# Altium PCB LOGI-PI.PcbDoc (part 1 of 3) (continued)
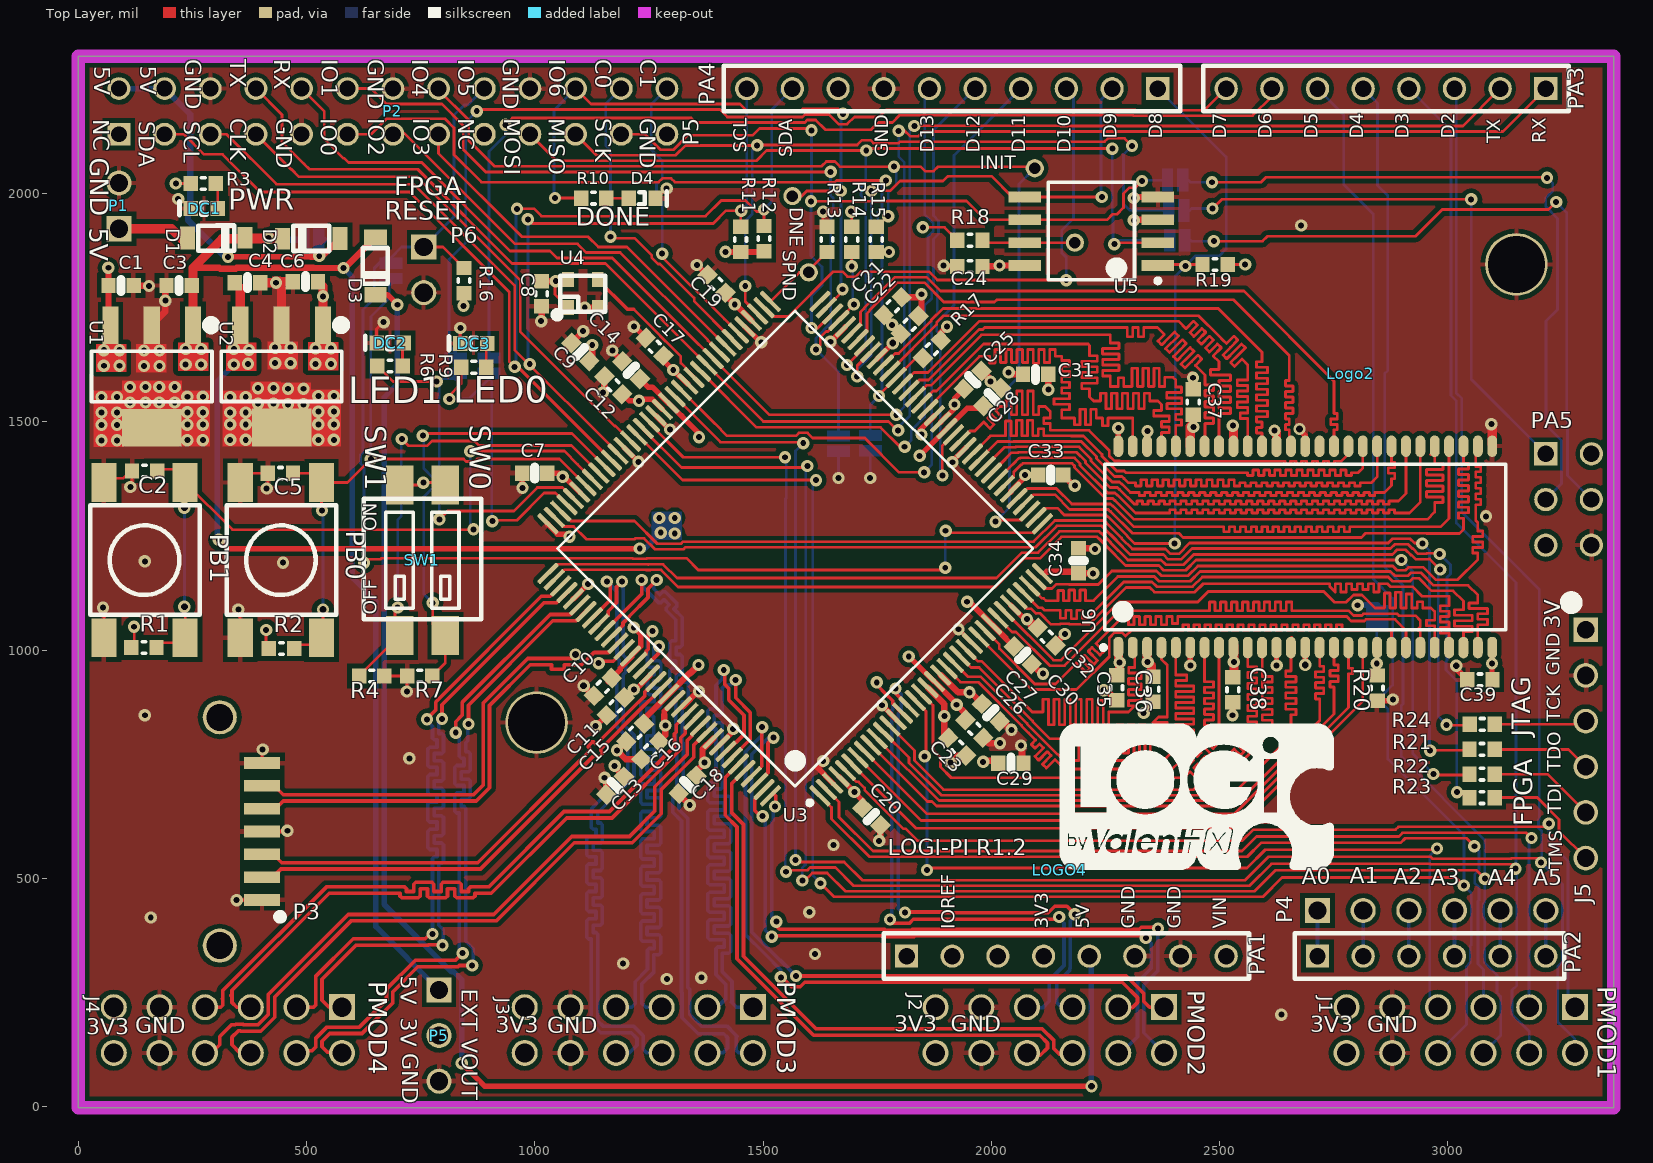
[diagram p0: Top Layer view]
## Footprints (in the part's own frame and the unit in brackets; to place one, negate y for a bottom-side part, rotate by r counter-clockwise, add the part's x,y. Pads: shape width x height; smd on the part's side, far side on the other; paste and mask are expansions set on the pad)
"ARDUINO DUE P1" [mil]
  rect 51x51 hole 36: A1(0,0)
  round 51 hole 36: A2(0,-100) A3(0,-200) A4(0,-300) A5(0,-400) A6(0,-500) A7(0,-600) A8(0,-700)
  silkscreen extent -50,-750 50,50, body extent -50,-1451 1950,400, height 327
"ARDUINO DUE P2" [mil]
  rect 51x51 hole 36: B1(0,0)
  round 51 hole 36: B2(0,-100) B3(0,-200) B4(0,-300) B5(0,-400) B6(0,-500)
  silkscreen extent -50,-540 50,50
"ARDUINO DUE P3" [mil]
  rect 51x51 hole 36: C1(0,0)
  round 51 hole 36: C2(0,100) C3(0,200) C4(0,300) C5(0,400) C6(0,500) C7(0,600) C8(0,700)
  silkscreen extent -50,-50 50,750
"ARDUINO DUE P4" [mil]
  rect 51x51 hole 36: D1(0,0)
  round 51 hole 36: D2(0,100) D3(0,200) D4(0,300) D5(0,400) D6(0,500) D7(0,600) D8(0,700) D9(0,800) D10(0,900)
  silkscreen extent -50,-50 50,950
"Arduino Due P5" [mil]
  rect 51x51 hole 36: E1(1100,-1400)
  round 51 hole 36: E2(1100,-1500) E3(1000,-1400) E4(1000,-1500) E5(900,-1400) E6(900,-1500)
"ASDMB - osc" [mil] "oscillator ASDMB - osc footprint"
  rect 26x33 smd: 1(0,0) 2(64.96,0) 3(64.96,61.02) 4(0,61.02)
  silkscreen extent -26,-18 81,69, body extent -17,-9 81,69, height 30
C0603 [mm] "0603 Generic"
  rect 0.8x0.85 smd: 1(-0.7,0) 2(0.7,0)
  silkscreen extent -0.1,-0.33 0.1,0.33, body extent -0.8,-0.42 0.82,0.4, height 0.46
"C0603 - Marked" [mm] "0603 Generic"
  rect 0.8x0.85 smd: 1(-0.7,0) 2(0.7,0)
  silkscreen extent 0,-0.33 0,0.33, body extent -0.8,-0.42 0.82,0.4, height 0.46
"DIPSW - 219-2MST" [mil]
  rect 60x85 smd: A1(0,0) A2(100,0) B1(0,330) B2(100,330)
  silkscreen extent -79,35 179,299, body extent -68,-29 169,357, height 146
FSM4JSMA [mil]
  rect 55x85 smd: A(-89,-170) A(-89,170) B(89,-170) B(89,170)
  silkscreen extent -119,-120 121,120, body extent -118,-198 118,196, height 200
"HEADER_2_40_100 THRU SIP" [mil]
  rect 55x55 hole 40: 1(0,0)
  round 55 hole 40: 2(100,0)
"HEADER_3_40_100 THRU SIP" [mil]
  rect 55x55 hole 40: 1(0,0)
  round 55 hole 40: 2(100,0) 3(200,0)
"HEADER_6_40_100 THRU SIP" [mil]
  rect 55x55 hole 40: 1(0,0)
  round 55 hole 40: 2(100,0) 3(200,0) 4(300,0) 5(400,0) 6(500,0)
"JTAG - Digilent HS1" [mil]
  rect 54x54 hole 39: 1(0,0)
  round 54 hole 39: 2(100,0) 3(200,0) 4(300,0) 5(400,0) 6(500,0)
  silkscreen extent -69,-42 -49,-22
"LED_0603 - RED" [mm] "LED_0603"
  rect 0.8x0.85 smd: A(-0.75,0) C(0.75,0)
  silkscreen extent -0.18,-0.41 1.37,0.38, body extent -0.8,-0.4 0.8,0.4, height 0.75
LOGI-600-SILK [mil]
  silkscreen extent 0,2 600,321
LOGI-1000-SILK [mil]
  silkscreen extent 0,-148 1000,534
"PMOD HEADER - SSQ-106-02-G-D-RA" [mil]
  rect 57x57 hole 42: 1(0,0)
  round 57 hole 42: 2(100,0) 3(200,0) 4(300,0) 5(400,0) 6(500,0) 7(0,100) 8(100,100) 9(200,100) 10(300,100) 11(400,100) 12(500,100)
  body extent -59,-14 561,494, height 200
R0603 [mm] "0603 Generic"
  rect 0.8x0.85 smd: 1(-0.7,0) 2(0.7,0)
  silkscreen extent -0.1,-0.33 0.1,0.33, body extent -0.81,-0.41 0.81,0.41, height 0.46
"RASPBERR PI - 26" [mil] "HEADER 100 MIL PITCH"
  rect 50x50 hole 35: 1(-600,-50)
  round 50 hole 35: 2(-600,50) 3(-500,-50) 4(-500,50) 5(-400,-50) 6(-400,50) 7(-300,-50) 8(-300,50) 9(-200,-50) 10(-200,50) 11(-100,-50) 12(-100,50) 13(0,-50) 14(0,50) 15(100,-50) 16(100,50) 17(200,-50) 18(200,50) 19(300,-50) 20(300,50) 21(400,-50) 22(400,50) 23(500,-50) 24(500,50) 25(600,-50) 26(600,50)
  body extent -660,-100 660,100, height 134
"SATA - 67490-3220" [mm] "Sata Data header 67490-3220 - verified pin nums on datasheet 1=gnd 2=tx+"
  rect 0.65x2 smd: 1(0,0) 2(-1.27,0) 3(-2.54,0) 4(-3.81,0) 5(-5.08,0) 6(-6.35,0) 7(-7.62,0)
  round 1.9 hole 1.5: x(-10.16,-2.36) x(2.54,-2.36)
  silkscreen extent 0.81,0.86 1.07,1.12, body extent -12.9,-10.66 4.57,0.84, height 4
SOD-123 [mm] "SOD-123"
  rect 1.2x0.85 smd: 1(0,1.6)
  rect 1.27x0.85 smd: 2(0,-1.6)
  silkscreen extent -0.69,-1 0.71,1, body extent -0.8,-1.85 0.8,1.85, height 1.28
SOIC127P830X200-8L [mm] "SOIC, 8-Leads, Body 6.1x6.2mm (max), Pitch 1.27mm, IPC High Density"
  rect 1.8x0.6 smd: 1(-3.7,1.905) 2(-3.7,0.635) 3(-3.7,-0.635) 4(-3.7,-1.905) 5(3.7,-1.905) 6(3.7,-0.635) 7(3.7,0.635) 8(3.7,1.905)
  silkscreen extent -3.83,-2.72 2.4,2.88, body extent -4.2,-2.7 4.2,2.68, height 2.3
SOLDER_JUMPER [mil]
  round 50 smd: 1(0,0) 2(-58,0)
  Top Layer region: -32.92,-24.99 -57.92,-24.99 -57.92,25.01 -32.92,25.01
  Top Layer region: 0.08,-24.99 -24.92,-24.99 -24.92,25.01 0.08,25.01
SOLDER_JUMPER-NC [mil]
  round 50 smd: 1(0,0) 2(-58,0)
  Top Layer region: 0.09,-24.99 -24.91,-24.99 -24.91,25.01 0.09,25.01
  Top Layer region: -32.91,-24.99 -57.91,-24.99 -57.91,25.01 -32.91,25.01
  Top Layer lines w10: 0,0 -50,0
SOT223 [mm] "SOT223, 4-Leads, Body 6.7x7.3mm (max), Pitch 2.30mm, IPC High Density"
  rect 2.1x0.9 smd: 1(-2.85,2.3) 2(-2.85,0) 3(-2.85,-2.3)
  rect 2.1x3.3 smd: 4(2.85,0)
  silkscreen extent -2.97,-3.35 1.4,3.43, body extent -3.54,-3.35 3.76,3.35, height 1.75
"Tp 25-40" [mil]
  round 40 hole 25: 1(0,0)
TQ144_L [mm] "Thin QFP, 144-Leads, Body 20x20mm, Pitch 0.5mm, IPC High Density"
  rrect50% 1.5x0.25 smd: 1(-10.7,8.75) 2(-10.7,8.25) 3(-10.7,7.75) 4(-10.7,7.25) 5(-10.7,6.75) 6(-10.7,6.25) 7(-10.7,5.75) 8(-10.7,5.25) 9(-10.7,4.75) 10(-10.7,4.25) 11(-10.7,3.75) 12(-10.7,3.25) 13(-10.7,2.75) 14(-10.7,2.25) 15(-10.7,1.75) 16(-10.7,1.25) 17(-10.7,0.75) 18(-10.7,0.25) 19(-10.7,-0.25) 20(-10.7,-0.75) 21(-10.7,-1.25) 22(-10.7,-1.75) 23(-10.7,-2.25) 24(-10.7,-2.75) 25(-10.7,-3.25) 26(-10.7,-3.75) 27(-10.7,-4.25) 28(-10.7,-4.75) 29(-10.7,-5.25) 30(-10.7,-5.75) 31(-10.7,-6.25) 32(-10.7,-6.75) 33(-10.7,-7.25) 34(-10.7,-7.75) 35(-10.7,-8.25) 36(-10.7,-8.75) 73(10.7,-8.75) 74(10.7,-8.25) 75(10.7,-7.75) 76(10.7,-7.25) 77(10.7,-6.75) 78(10.7,-6.25) 79(10.7,-5.75) 80(10.7,-5.25) 81(10.7,-4.75) 82(10.7,-4.25) 83(10.7,-3.75) 84(10.7,-3.25) 85(10.7,-2.75) 86(10.7,-2.25) 87(10.7,-1.75) 88(10.7,-1.25) 89(10.7,-0.75) 90(10.7,-0.25) 91(10.7,0.25) 92(10.7,0.75) 93(10.7,1.25) 94(10.7,1.75) 95(10.7,2.25) 96(10.7,2.75) 97(10.7,3.25) 98(10.7,3.75) 99(10.7,4.25) 100(10.7,4.75) 101(10.7,5.25) 102(10.7,5.75) 103(10.7,6.25) 104(10.7,6.75) 105(10.7,7.25) 106(10.7,7.75) 107(10.7,8.25) 108(10.7,8.75)
  rrect50% 0.25x1.5 smd: 37(-8.75,-10.7) 38(-8.25,-10.7) 39(-7.75,-10.7) 40(-7.25,-10.7) 41(-6.75,-10.7) 42(-6.25,-10.7) 43(-5.75,-10.7) 44(-5.25,-10.7) 45(-4.75,-10.7) 46(-4.25,-10.7) 47(-3.75,-10.7) 48(-3.25,-10.7) 49(-2.75,-10.7) 50(-2.25,-10.7) 51(-1.75,-10.7) 52(-1.25,-10.7) 53(-0.75,-10.7) 54(-0.25,-10.7) 55(0.25,-10.7) 56(0.75,-10.7) 57(1.25,-10.7) 58(1.75,-10.7) 59(2.25,-10.7) 60(2.75,-10.7) 61(3.25,-10.7) 62(3.75,-10.7) 63(4.25,-10.7) 64(4.75,-10.7) 65(5.25,-10.7) 66(5.75,-10.7) 67(6.25,-10.7) 68(6.75,-10.7) 69(7.25,-10.7) 70(7.75,-10.7) 71(8.25,-10.7) 72(8.75,-10.7) 109(8.75,10.7) 110(8.25,10.7) 111(7.75,10.7) 112(7.25,10.7) 113(6.75,10.7) 114(6.25,10.7) 115(5.75,10.7) 116(5.25,10.7) 117(4.75,10.7) 118(4.25,10.7) 119(3.75,10.7) 120(3.25,10.7) 121(2.75,10.7) 122(2.25,10.7) 123(1.75,10.7) 124(1.25,10.7) 125(0.75,10.7) 126(0.25,10.7) 127(-0.25,10.7) 128(-0.75,10.7) 129(-1.25,10.7) 130(-1.75,10.7) 131(-2.25,10.7) 132(-2.75,10.7) 133(-3.25,10.7) 134(-3.75,10.7) 135(-4.25,10.7) 136(-4.75,10.7) 137(-5.25,10.7) 138(-5.75,10.7) 139(-6.25,10.7) 140(-6.75,10.7) 141(-7.25,10.7) 142(-7.75,10.7) 143(-8.25,10.7) 144(-8.75,10.7)
  silkscreen extent -10.7,-9.35 9.35,9.55, body extent -11.01,-11.01 11.02,11.02, height 1.6
TSOP2-54_L [mm] "SOP, 54-Leads, Body 22.2x10.16mm, Pitch 0.8mm, IPC High Density"
  oval 1.2x0.55 smd: 1(-5.6,10.4) 2(-5.6,9.6) 3(-5.6,8.8) 4(-5.6,8) 5(-5.6,7.2) 6(-5.6,6.4) 7(-5.6,5.6) 8(-5.6,4.8) 9(-5.6,4) 10(-5.6,3.2) 11(-5.6,2.4) 12(-5.6,1.6) 13(-5.6,0.8) 14(-5.6,0) 15(-5.6,-0.8) 16(-5.6,-1.6) 17(-5.6,-2.4) 18(-5.6,-3.2) 19(-5.6,-4) 20(-5.6,-4.8) 21(-5.6,-5.6) 22(-5.6,-6.4) 23(-5.6,-7.2) 24(-5.6,-8) 25(-5.6,-8.8) 26(-5.6,-9.6) 27(-5.6,-10.4) 28(5.6,-10.4) 29(5.6,-9.6) 30(5.6,-8.8) 31(5.6,-8) 32(5.6,-7.2) 33(5.6,-6.4) 34(5.6,-5.6) 35(5.6,-4.8) 36(5.6,-4) 37(5.6,-3.2) 38(5.6,-2.4) 39(5.6,-1.6) 40(5.6,-0.8) 41(5.6,0) 42(5.6,0.8) 43(5.6,1.6) 44(5.6,2.4) 45(5.6,3.2) 46(5.6,4) 47(5.6,4.8) 48(5.6,5.6) 49(5.6,6.4) 50(5.6,7.2) 51(5.6,8) 52(5.6,8.8) 53(5.6,9.6) 54(5.6,10.4)
  silkscreen extent -5.72,-11.15 4.6,11.35, body extent -5.74,-11.16 6.02,11.06, height 1.3
VALENTFX_500-SolderMask [mil]
VALENTFX_750-SolderMask [mil]

## Part data
C1 C3 C4 C6 C7 C9 C13 C14 C18 C20 C25 C27 C28 C29 C30 C31 C33 C34: library part "C0603 - GRM188R60J475KE19D", "4.7uF 6.3volts X5R 10% (MLCC) - SMD/SMT 0603"
C2 C5 C8 C24 C35 C36 C37 C38 C39: library part "C0603 - CL10F104ZA8NNNC", "CAP CER 0.1UF 25V Y5V 0603"
C10 C11 C12 C15 C16 C17 C19 C21 C22 C23 C26 C32: library part "C0603 - GCM188R71E474KA64D", ".47uF 25VDC X7R 10% SMD 0603 Paper T/R CERAMIC"
D1 D2 D3: "DIODE SCHOTTKY 25V 1A SOD123"
D4 DC1 DC2 DC3: library part "LED0603 - 598-8010-107F", "LED ALINGAP RED CLEAR 0603 SMD"
J1 J2 J3 J4: library part "P-MOD - SSQ-106-02-G-D-RA", "SAMTEC - SSQ-106-02-G-D-RA-005 - 2MM SOCKET STRIPS"
J5: library part "JTAG - Digilent HS1", "DIGILENT - 410-205 - PROGRAMMING CABLE, JTAG HS1, USB2"
JP1 JP2 JP3 JP4 JP5 JP6 JP7 JP8 JP9 JP10: "Solder/Configuration Jumper"
P1: library part Header2, "Header 2 pin"
P2: library part "Raspberry Pi - 26", "Raspberry Pi - 26"
P3: "SATA Data - 67490-1220"
P4: "Header 6 pin"
P5: "Header  pin"
P6: "Header 2 pin"
PA1 PA3: "CONN HEADER FEMALE 8POS .1\" GOLD"
PA2: "CONN HEADER FEMALE 6POS .1\" GOLD"
PA4: "CONN HEADER FMALE 10POS .1\" GOLD"
PB0 PB1: "SWITCH TACTILE SPST-NO 0.05A 12V"
R1 R2 R4 R7 R11 R12 R13 R14 R15 R16 R17 R18 R19 R20: library part "R0603 - CRCW060310K0FKEA", "10k Thick Film Resistors - SMD 1/10watt 10Kohms 1%"
R3 R6 R9 R10 R21 R22 R23 R24: library part "R0603 - ERJ-3GEYJ331V", "Thick Film Resistors - SMD 0603 330ohms 5% Tol"
SW1: library part "DIPSW - 219-2MST", "DIP Switches / SIP Switches SPST 2 switch sections"
T2 T3 T4 T5: library part "Test Point 2", "Test Point Smaller Symbol"
U1: library part "REG - MCP1826S-3302E/DB", "LDO REG 1A 3.3V SOT223-3"
U2: "IC LDO REG 1A 1.2V SOT223-3"
U3: library part "FPGA - XC6SLX9-2TQG144C", "IC FPAG SPARTAN 6 9K 144TQFP"
U4: "OSC MEMS 50.000 MHZ SMD"
U5: library part M25PE16-VMW6TG, "IC FLASH 16MBIT 75MHZ 8SOIC"
U6: library part "SDRAM - MT48LC16M16A2P-7E", "256Mb Synchronous High-Speed CMOS DRAM, 16Mb x 16Bit x 4 Banks, 54-Pin TSOP Pb-free, Commercial"

## Free pads (board coordinates)
  round 137 hole 125: MT1(1004.04,841.5) MT1(3150.04,1845)

## Via types
v1: diameter 27, hole 13, Top Layer to Bottom Layer, 267 vias
v2: diameter 27, hole 13, Top Layer to Bottom Layer, tented both sides, 76 vias
v3: diameter 27, hole 15, Top Layer to Bottom Layer, 10 vias

## Nets (pads, with @x,y where several pads share a name; then routed paths per layer and width w, separated by ;. In a path a pad name is that pad's centre, name@x,y a point inside that pad or via, vN(x,y) a via of type N, cw(c..) or ccw(c..) an arc to the next point about the centre after c; other vN are vias at no path point)
1V2: C4.1 C14.1 C15.1 C26.1 C28.1 C30.1 U2.3 U3.19 U3.28 U3.52 U3.89 U3.128 | length 2426.1
  Top Layer w12: v1(308,1241.54) 327,1222.54 v1(1230,1222.54) ; C14.1@1232.24,1591.83 1248.02,1576.06 1257.36,1576.06 1292.12,1541.3 U3.89@1293.37,1541.3 ; 1321.6,1513.07 U3.89@1293.37,1541.3 ; v1(1359.91,1466.54) 1359.91,1474.76 U3.89@1293.37,1541.3 ; v1(1819.11,986.06) 1819.81,986.06 1874.24,931.63 U3.19@1875.21,931.63 v1@1918.78,888.05 ; v1(1843.1,1425.68) 1947.35,1529.93 C28.1@1978.61,1529.93 ; 2030.42,1026.96 2048.84,1008.54 C30.1@2050.59,1008.54
  Top Layer w14: C15.1@1239.49,838.82 1239.49,849.9 U3.128@1293.37,903.79 1339.46,949.87 1340.95,949.87 v1(1358.49,967.42) ; v1(1923.97,880.54) 1943.26,861.25 C26.1@1943.26,847.03 ; v1(1947.02,1106.06) 1951.33,1106.06 2030.42,1026.96
  Top Layer w20: C4.1@343.31,1804.81 355.12,1793 U2.3@355.12,1711.89
  Bottom Layer w12: v1(308,1241.54) 304.93,1244.62 304.93,1589.47 v2(341,1625.54) ; v1(1230,1222.54) 1241,1222.54 v2(1276,1257.54)
  Bottom Layer w14: 1261.98,1269.04 1288.61,1269.04 ; 1286.11,1282.05 1288.61,1279.55
  other v2: 1306.61,1255.55 1272.61,1289.55 1306.61,1289.55 372.04,1627.04 374,1657.61 341,1659.54
3V3: C1.1 C6.1 C7.1 C8.1 C9.1 C10.1 C11.1 C12.1 C13.1 C16.1 C17.1 C18.1 C19.1 C20.1 C21.1 C22.1 C23.1 C24.1 C25.1 C27.1 C29.1 C31.1 C32.1 C33.1 C34.1 C35.1 C36.1 C37.1 C38.1 C39.1 J1.6 J1.12 J2.6 J2.12 J3.6 J3.12 J4.6 J4.12 J5.1 JP1.1 P5.2 PA1.A2 PA1.A4 R1.1 R2.1 R3.1 R11.2 R12.2 R14.1 R15.2 R16.2 R17.1 R18.2 R19.2 SW1.B1 SW1.B2 U1.3 U2.1 U3.4 U3.18 U3.20 U3.31 U3.36 U3.42 U3.53 U3.63 U3.76 U3.86 U3.90 U3.103 U3.122 U3.125 U3.129 U3.135 U4.1 U4.4 U5.3 U5.8 U6.1 U6.3 U6.9 U6.14 U6.27 U6.43 U6.49 | length 3325.2
  Top Layer w6: v1(122.36,1051.29) 122.8,1050.85 R1.1@122.8,1016.29 ; v1(214,2022) R3.1@246.48,2022 ; R2.1@411.29,1012.33 411.29,1043.73 v1(411.85,1044.29) ; SW1.B1@704.06,1362 751.06,1362 v1(756.06,1367) 799.06,1367 SW1.B2@804.06,1362 ; v1(844,1754.18) 845,1755.18 R16.2@845,1781.98 ; v1@1044.51,1804.81 1044.51,1779.03 U4.1@1073,1750.54 ; v1(1693,1960.54) 1694.25,1959.29 R14.1@1694.25,1927.1 ; R15.2@1748,1871.98 v1(1775.88,1871.99) v1@1778.32,1869.54 ; v1(1850,1926.1) 1897.22,1926.1 R18.2@1925.44,1897.88 ; U5.3@2340.06,1939.32 2394.43,1939.32 U5.3@2396.43,1941.32 ; R19.2@2517.56,1844.54 v1(2556,1844.54)
  Top Layer w10: U3.36@2111.84,1168.26 2117.26,1168.26 2121,1172
  Top Layer w12: C7.1@1027.56,1387.54 1053,1387.54 v1(1061,1379.54) 1065.39,1379.54 U3.103@1098.5,1346.43 ; C10.1@1161.27,931.03 1187.42,957.18 1187.42,960.96 1211.94,985.48 1211.94,988.6 1232.3,1008.96 1232.3,1034.2 v1(1216.86,1049.64) ; C12.1@1192.88,1560.48 1207.3,1546.06 v1(1228.36,1546.06) 1232.13,1549.82 1257.01,1549.82 U3.90@1279.45,1527.38 ; C11.1@1195.89,888.05 C11.1@1200.41,892.57 ; C11.1@1196.49,896.49 1199.49,896.49 v1(1217,914) ; v1@1219.42,911.58 1251.62,943.77 U3.125@1251.62,945.55 ; C17.1@1279.64,1637.46 C17.1@1282.13,1634.97 ; C17.1@1281.73,1637.46 C17.1@1281.73,1641.33 ; C17.1@1282.13,1644.97 C17.1@1282.13,1634.97 ; 1283.85,858.36 1283.85,866.43 U3.129@1307.29,889.87 ; U3.86@1335.13,1583.06 1334.04,1583.06 v1(1303.28,1613.82) C17.1@1282.13,1634.97 ; U3.4@1666.41,722.84 v1(1700,689.25) C20.1@1718.01,671.24 ; U3.63@1749.93,1638.73 1750.42,1638.74 v3(1784.1,1672.42) 1804.1,1692.42 C22.1@1804.1,1698.39 ; v1(1850,1926.1) v1@1851,1927.1 ; U3.53@1889.12,1499.54 1919.36,1529.78 v1(1919.36,1538.06) 1919.36,1551.54 C25.1@1939.89,1572.06 ; U3.42@2042.24,1346.43 2042.24,1347.24 2074.09,1379.09 v1(2074.09,1383.54) C33.1@2108.54,1383.54 ; v1(2078.23,1068.01) 2072.89,1068.01 U3.31@2049.47,1091.43 ; v3(2687.57,967.8) U6.14@2687.57,1005.79 ; C39.1@3096.53,940.07 v1(3096.53,970.81) 3096.53,1010.31 U6.27@3097.01,1010.79 ; U3.31@2049.47,1091.43 U3.31@2042.24,1098.66 U3.31@2049.47,1091.43
  Top Layer w14: v1(66,1837.54) 66.44,1837.1 C1.1@66.44,1798.54 66.44,1715.97 U1.3@70.59,1711.82 ; C8.1@1015,1808.1 v1(1046,1808.1) 1069.54,1808.1 U4.4@1073,1811.57 ; C9.1@1119.59,1633.6 1126,1640.01 v1(1126,1668.54) ; v1(1175,746.54) 1175,743.52 C13.1@1195.49,723.03 ; C16.1@1272.49,799.95 1286,813.46 v1(1286,834.86) 1283.85,837.01 1283.85,858.36 ; C18.1@1354.49,725.03 1354.49,736.03 v1(1372,753.54) 1367.37,758.17 1367.37,782.91 U3.135@1390.81,806.35 ; C19.1@1417.49,1783.06 1417.49,1778.06 v1(1438,1757.54) 1439.03,1757.54 U3.76@1474.33,1722.25 ; v1(1417.69,1872.54) 1418.25,1871.98 R11.2@1451,1871.98 1500,1871.98 R12.2@1502,1873.98 ; C21.1@1764.61,1734.06 1764.61,1730.79 v1(1782.86,1712.54) ; U3.18@1861.29,917.71 1897,882 v1(1897,855.54) 1897,816.54 C23.1@1905.51,808.03 ; U3.20@1889.12,945.55 1927.13,907.54 v1(1952.24,907.54) 1954.74,907.54 C27.1@1979.51,882.77 ; R17.1@1889.4,1678.91 1889.4,1694.94 v1(1903,1708.54) ; C24.1@1981.56,1840.54 v1@2016,1840.54 ; v1(1982,755.54) 1984,757.54 C29.1@2011.44,757.54 ; v1(2018,1842.54) U5.8@2073.33,1842.54 ; v1(2038,1608.54) 2042.32,1604.23 C31.1@2069.44,1604.23 ; 2121,1172 2187.43,1172 C34.1@2191,1168.43 ; C34.1@2190.83,1168.26 C34.1@2191,1168.43 ; v1(2223,1168.43) C34.1@2191,1168.43 ; v1(2312,1941.54) 2313,1942.54 U5.3@2364.67,1942.54
  Top Layer w20: C6.1@525.39,1807 536.22,1796.17 v1(536.22,1775) U2.1@536.22,1711.89 ; v1(2078.23,1068.01) 2094.33,1051.91 C32.1@2103.43,1051.91 ; U6.1@2278.12,1010.79 2278.12,975.98 v1(2281.06,973.04) C35.1@2281.06,943.6 ; U6.3@2341.11,1010.79 2341.11,975.33 v1(2342.24,974.2) 2350.4,966.04 C36.1@2350.4,943.6 ; U6.49@2435.6,1446.74 v1@2435.6,1483.23 ; v1@2436.39,1491.01 2435.6,1490.22 v1@2435.6,1483.23 ; C37.1@2440.37,1518 2440.37,1488 v1@2435.6,1483.23 ; U6.9@2530.08,1010.79 2531.21,1009.67 v1(2531.21,974.2) C38.1@2531.21,943.6 ; v1(2620.04,1481) 2624.57,1476.47 U6.43@2624.57,1451.74
  Bottom Layer w14: v1(2802.37,1098.44) 2802.93,1099 JP1.1@2845.05,1099
  other v1: 2442.37,1489
  other v2: 56.37,1623 90.37,1623 519.93,1627 553.93,1627 56.37,1657 90.37,1657 519.93,1661 553.93,1661
5V_RP: D2.2 JP8.1 P2.2 P2.4 | length 853.4
  Top Layer w12: v1(328,1861.54) v1@328,1855.52 ; 509.59,1861.54 334.1,1861.54 v1@328.04,1855.48 ; D2.2@573.01,1900.99 D2.2@573.36,1901.35 ; v1@328,1855.52 v1@328.04,1855.48
  Top Layer w14: v1(328,1861.54) v1@334.1,1861.54 ; 509.59,1861.54 v1@528,1861.54 ; v1@533.56,1861.54 D2.2@573.01,1900.99
  Bottom Layer w12: P2.2@89.37,2230 P2.4@189.37,2230
  Bottom Layer w14: P2.4@189.37,2230 245.5,2173.87 245.5,1976.57 240.56,1971.62 240.56,1941.55 287.6,1894.5 289.02,1894.5 328,1855.52 v1(328,1861.54) ; v1(528,1863.54) 528,1887.37 JP8.1@539.17,1898.54
ARD_5V: D3.1 PA1.A5 | length 3490.6
  Top Layer w12: D3.1@651.27,1778.55 676.99,1778.55 v1(699,1756.54) ; v1(839.87,95.5) 890.37,45 v3(2219.37,45)
  Bottom Layer w12: v1(699,1756.54) 699,1582.54 670,1553.54 670,443.54 818.04,295.5 822.84,295.5 839.87,278.47 v1(839.87,95.5) ; PA1.A5@2214.37,330 2218.54,325.83 2218.54,45.83 v3(2219.37,45)
ARD_MISO_D12: PA4.D5 U3.87 | length 1515.3
  Top Layer w6: U3.87@1321.21,1569.14 1394.27,1496.08 1394.34,1496.08 1420.97,1469.45 1572.09,1469.45 1578.68,1476.04 1597.32,1476.04 1608.63,1464.74 1722.81,1464.74 1798,1389.54 v1(1852.89,1389.54)
  Bottom Layer w6: v1(1852.89,1389.54) 1869.6,1406.26 1869.6,1693.15 1868.5,1694.25 1868.5,1722.83 1881.5,1735.83 1881.5,1793.83 1873.19,1802.14 1873.19,1900.5 1884.5,1911.81 1884.5,1940.39 1873.19,1951.7 1873.19,2138.82 PA4.D5@1964.37,2230
ARD_MOSI_D11: PA4.D4 U3.51 | length 1028.5
  Top Layer w6: v1(1893,1382.54) 1892.24,1383.3 1892.24,1446.98 U3.51@1916.96,1471.7
  Bottom Layer w6: v1(1893,1382.54) 1888,1387.54 1888,1691.72 1880.5,1699.22 1880.5,1717.86 1918.19,1755.56 1918.19,2083.82 PA4.D4@2064.37,2230
ARD_SCK_D13: PA4.D6 U3.84 | length 1344.7
  Top Layer w6: U3.84@1362.97,1610.9 1485.82,1488.04 1757.68,1488.04 1800.18,1445.54 v1(1810,1445.54)
  Bottom Layer w6: v1(1810,1445.54) 1824.6,1460.14 1824.6,1481.55 1854,1510.95 1854,1754.72 1869.5,1770.22 1869.5,1788.86 1861.19,1797.17 1861.19,1905.47 1872.5,1916.78 1872.5,1935.42 1854,1953.92 1854,2219.63 PA4.D6@1864.37,2230
ARD_SS_D10: PA4.D3 U3.74 | length 1169
  Top Layer w6: U3.74@1502.16,1750.09 1502.17,1748.83 1520.35,1730.65 1555.43,1730.65 1653.77,1829 1673.98,1829 1684.93,1818.04 1703.57,1818.04 1714.53,1829 1863.31,1829 1881.76,1810.54 v1(2164,1810.54)
  Bottom Layer w6: v1(2164,1810.54) 2164,1860.53 2154,1870.53 2154,1919.54 2180,1945.54 2180,2042.38 2179.85,2042.53 2179.85,2066.56 2180,2066.7 2180,2214.37 PA4.D3@2164.37,2230
FLASH_CS_ARD_D8: PA4.D1 R19.1 U3.38 U5.1 | length 1579.5
  Top Layer w6: U3.38@2097.92,1290.75 2097.92,1291.59 2117.33,1311 2144.9,1311 2159.61,1296.29 2251.07,1296.29 2255.32,1292.04 2256.2,1292.04 2297.5,1250.75 2297.5,1249.87 2313.82,1233.54 v1(2401.48,1233.54) ; U5.1@2364.67,1842.54 2366.67,1844.54 R19.1@2462.44,1844.54
  Bottom Layer w6: PA4.D1@2364.37,2230 2514.37,2080 2514.37,1878.86 2499.38,1863.88 2447.33,1863.88 v1(2425,1841.54) 2403,1819.54 2403,1286.54 2401.48,1285.03 v1(2401.48,1233.54)
FLASH_SDI_ARD_D9: PA4.D2 U3.64 U5.5 | length 1270.3
  Top Layer w6: v1(1706,1599.54) 1706.41,1599.95 1706.41,1623.05 U3.64@1736.01,1652.65 ; v1(1737,2005.54) 1737.5,2006.04 1778.32,2006.04 1799.82,2027.54 1894,2027.54 1904,2037.54 1905.23,2037.54 1905.96,2038.28 2000.03,2038.28 2045.77,1992.54 U5.5@2073.33,1992.54 v1(2242,1992.54)
  Bottom Layer w6: v1(1706,1599.54) 1706,1614.82 1737,1645.82 v1(1737,2005.54) ; v1(2242,1992.54) 2240,1994.54 2240,2205.63 PA4.D2@2264.37,2230
FLSH-DSBL: R18.1 T2.1 U5.7 | length 206
  Top Layer w6: R18.1@1980.56,1901.1 1989.12,1892.54 U5.7@2073.33,1892.54 T2.1@2183,1892.54
GND: C1.2 C2.2 C3.2 C4.2 C5.2 C6.2 C7.2 C8.2 C9.2 C10.2 C11.2 C12.2 C13.2 C14.2 C15.2 C16.2 C17.2 C18.2 C19.2 C20.2 C21.2 C22.2 C23.2 C24.2 C25.2 C26.2 C27.2 C28.2 C29.2 C30.2 C31.2 C32.2 C33.2 C34.2 C35.2 C36.2 C37.2 C38.2 C39.2 D4.C DC1.C DC2.C DC3.C J1.5 J1.11 J2.5 J2.11 J3.5 J3.11 J4.5 J4.11 J5.2 JP6.2 JP7.2 P1.2 P2.6 P2.9 P2.14 P2.20 P2.25 P3.1 P3.4 P3.7 P5.3 P6.2 PA1.A6 PA1.A7 PA4.D7 PA5.E6 pad.MT1 PB0.A PB1.A R4.1 R7.1 R13.1 R20.1 U1.2 U1.4 U2.2 U2.4 U3.3 U3.13 U3.25 U3.49 U3.54 U3.68 U3.77 U3.91 U3.96 U3.108 U3.113 U3.130 U3.136 U4.2 U5.4 U6.6 U6.12 U6.28 U6.41 U6.46 U6.52 U6.54 | length 3445.3
  Top Layer w6: v1(54.36,1093.29) 54.36,1096.29 56.36,1094.29 PB1.A@56.36,1036.29 ; PB1.A@56.36,1376.29 97.8,1376.29 117.8,1396.29 117.8,1360.73 v1(114.36,1357.29) ; v1(219,1988) 224.54,1988 245.35,1967.2 DC1.C@246.47,1967.2 ; v1(347,452.54) 347.46,453 P3.1@403.04,453 ; v1(350.85,1089.29) 350.85,1090.29 353.85,1087.29 PB0.A@353.85,1029.29 ; PB0.A@353.85,1369.29 371.85,1387.29 C5.2@415.29,1387.29 415.29,1356.73 v1(412.85,1354.29) ; P3.4@403.04,603 456.46,603 v1(458,604.54) ; P3.7@403.04,753 403.04,781.35 v1(404,782.31) ; DC2.C@653.63,1672.55 653.63,1703.18 v1(669,1718.54) ; R4.1@670.56,943.31 R7.1@720.44,943.31 720.44,910.06 v1(720,909.62) ; DC3.C@836.73,1671.64 836.73,1705.27 v1(837,1705.54) ; D4.C@1264.53,1989.72 1267.72,1989.72 v1(1289,2011) ; U3.136@1404.73,792.43 1436.35,824.06 1435.91,824.51 1435.91,826.52 v1(1434.67,827.77) ; v1(1631.5,1960.54) 1631.5,1935.6 R13.1@1640,1927.1 ; v1@1927.95,1048.54 v1(1927.95,1045.92) U3.25@1958.72,1015.14
  Top Layer w12: C7.2@972.44,1387.54 972.44,1356.1 v1(973,1355.54) ; U3.108@1028.9,1276.83 1028.9,1275.1 1049.61,1254.39 1073.15,1254.39 1076,1251.54 v1(1076,1248.54) ; U3.113@1084.58,1112.58 v1(1117,1145) ; v1(1133.5,833.54) C11.2@1152.51,852.56 ; v1(1170,1656.54) 1170,1654.61 C14.2@1191.7,1632.91 ; U3.96@1195.94,1443.86 v1(1227.36,1412.44) ; v1(1217,1708.54) 1218.56,1708.54 C17.2@1243.16,1683.94 ; U3.91@1265.53,1513.46 v1@1295.58,1483.42 ; v1@1295.1,1483.42 v1@1295.58,1483.42 ; v1(1296.1,1483.42) v1@1296,1483.42 ; v1@1296.36,1485.06 1296.36,1483.06 v1@1296,1483.42 ; U3.130@1324.44,875.95 1359.91,911.42 v1(1359.91,909.62) ; v1(1355,1843.54) 1376.51,1822.03 C19.2@1378.51,1822.03 ; U3.136@1404.73,792.43 v1@1436.36,824.06 ; U3.77@1460.41,1708.33 v1@1494.25,1674.48 ; v1(1631.5,757.26) 1631.5,755.18 1618.87,742.54 U3.3@1652.49,708.92 ; v1(1647.55,1675.54) U3.68@1680.33,1708.33 ; v1(1760.36,879.44) U3.13@1791.69,848.11 ; v1@1844.8,1483.06 U3.54@1875.21,1513.46 ; v1@1913.36,1415.06 v1@1913.36,1413.06 ; v1(1914.74,1411.68) v1@1913.36,1413.06 ; U3.49@1944.17,1443.86 v1@1913.36,1413.06 ; C25.2@1977.25,1606.9 1979.6,1606.9 v1(1998.08,1588.42) C28.2@2017.59,1568.91 ; C25.2@1983.83,1609 v1@2002.34,1590.49 ; U6.54@2278.12,1446.74 v1(2278.12,1486.15) ; U6.6@2435.6,1010.79 U6.6@2435.6,1005.79 2435.6,966.95 v1(2436,966.54) ; U6.12@2624.57,1005.79 2624.57,966.97 v1(2625,966.54) ; v3(2674.97,1484.54) 2674.97,1481.77 2687.57,1469.18 U6.41@2687.57,1446.74 ; R20.1@2844.09,880.44 R20.1@2845.05,880.44 ; R20.1@2845.05,889.44 2876.81,889.44 v1(2879.37,892) ; v1@1295.58,1483.42 v1@1296,1483.42
  Top Layer w14: C1.2@121.56,1798.54 154,1798.54 v1(155,1797.54) ; U1.2@161.14,1711.82 191,1741.67 v1(191,1765.54) 191,1796.1 C3.2@193.44,1798.54 ; v1(1014,1720.54) 1015,1721.54 C8.2@1015,1752.98 ; C9.2@1080.61,1672.57 1080.61,1673.21 v1(1106,1698.6) ; v3(1107,922) 1107,921.57 C10.2@1127.51,901.06 ; v1(1109.51,1750.09) 1109.97,1750.54 U4.2@1137.96,1750.54 ; v1(1149,1564.54) 1152,1567.54 1152,1598.96 C12.2@1152.61,1599.57 ; v1(1153,720.54) 1156.51,717.03 C13.2@1156.51,684.06 ; C15.2@1204.29,803.06 1181.77,780.54 v1(1180,780.54) 1199.57,760.97 C16.2@1233.51,760.97 ; C18.2@1315.51,686.06 1315.51,684.49 v1(1339.46,660.54) ; v1@1494.25,1674.48 v1(1496,1674.48) ; v1(1754.21,582.49) 1756.99,585.27 C20.2@1756.99,616.06 ; C21.2@1803.59,1773.03 1840.49,1773.03 v1(1847,1779.54) 1847,1738.54 C22.2@1840.49,1732.03 ; v1(1895.69,1842.25) 1897.4,1840.54 C24.2@1925.44,1840.54 ; v1(1911,753.54) 1926.51,769.06 C23.2@1944.49,769.06 ; C26.2@1982.24,808.06 1993.89,796.4 v1(2019,796.4) ; C27.2@2018.49,843.8 2025.75,843.8 v1(2044,825.54) ; v1(2065.1,791.38) 2066.56,789.92 C29.2@2066.56,757.54 ; C30.2@2088.49,969.06 2109,948.54 v1(2113,948.54) ; C31.2@2124.56,1604.23 2124.56,1570.98 v1(2125,1570.54) ; C32.2@2140.52,1010.06 2140.52,1014.96 v1(2161,1035.44) ; C33.2@2157.56,1383.54 2180.76,1360.35 v1(2183,1360.35) ; C34.2@2191,1223.54 2224.44,1223.54 2226.44,1221.54 v1(2227,1221.54) ; v1(2246,912.54) 2252.11,912.54 C35.2@2274.5,890.15 ; v1(2312,1990.54) 2314,1992.54 U5.4@2364.67,1992.54 ; v1(2333.47,862.54) 2333.47,866.45 C36.2@2354,886.98 ; U6.52@2341.11,1446.74 2341.11,1478.85 v1(2341.95,1479.7) ; v1(2441.69,1596.75) 2442.22,1596.22 C37.2@2442.22,1571.92 ; v1(2528,857.54) 2529,858.54 C38.2@2529,885.98 ; v3(3018.32,965.82) 3019.04,966.54 3019.04,958.44 C39.2@3042.48,935
  Top Layer w20: C4.2@398.43,1804.81 v1(433.4,1804.81) ; U2.2@445.67,1711.89 445.67,1792.55 v1(433.4,1804.81) ; C6.2@470.28,1807 435.59,1807 v1(433.4,1804.81) ; v1(2529.03,1491.78) 2530.08,1490.73 U6.46@2530.08,1451.74 ; v1(3095.1,1495.17) 3097.01,1493.26 U6.28@3097.01,1451.74
  Bottom Layer w6: JP7.2@1665,1423.54 1665,1377 v1(1665.18,1377) ; v1(1734.48,1377) 1735,1377 JP6.2@1735,1424.54
  other v1: 2635.08,201.82 1289.37,279.8 1364.89,282.84 1193.66,313.72 1613.72,334.62 159,414.54 1601.42,426.18 1654.14,573.48 725.37,763 146,857.54 448.65,1191.82 146,1194.71 3083.36,1293 1847.1,1472.23 2678.56,1930
  other v2: 51,1459.54 85,1459.54 239,1460 273,1460 333,1460.54 367,1460.54 526,1460.54 560,1460.54 51,1493.54 85,1493.54 239,1494 273,1494 333,1494.54 367,1494.54 526,1494.54 560,1494.54 51,1520.54 85,1520.54 333,1520.54 367,1520.54 239,1521 273,1521 526,1522.54 560,1522.54 459.51,1538.54 493.51,1538.54 394,1540.03 428,1540.03 113.53,1542.41 147.53,1542.41 177.53,1542.41 211.53,1542.41 51,1554.54 85,1554.54 333,1554.54 367,1554.54 239,1555 273,1555 526,1556.54 560,1556.54 459.51,1572.54 493.51,1572.54 394,1574.03 428,1574.03 113.53,1576.41 147.53,1576.41 177.53,1576.41 211.53,1576.41 144,1622.54 178,1622.54 431.47,1628.54 465.47,1628.54 144,1656.54 178,1656.54 431.47,1662.54 465.47,1662.54
LED0_ARD_D6: JP10.1 R9.2 U3.105 | length 697.5
  Top Layer w6: v1(813,1550) 813,1558 838.7,1583.7 R9.2@838.7,1619.64 ; v1@909,1284.54 961,1284.54 1020.57,1344.11 1045.14,1344.11 U3.105@1070.66,1318.59
  Bottom Layer w6: v1(813,1550) 855.46,1550 JP10.1@900,1594.54 906,1588.54 906,1283.54 v1(907,1282.54)
LED0_ARD_D6_: JP10.2 PA3.C7 | length 2260.4
  Top Layer w6: v1(936,2150.54) 951,2165.54 1342.49,2165.54 1352.11,2155.92 1591.56,2155.92 1596.68,2161.04 1615.32,2161.04 1636.32,2140.04 1737.04,2140.04 1752.92,2155.92 1783.56,2155.92 1799.18,2171.54 2310.26,2171.54 2311.08,2170.72 2572.37,2170.72 2614.37,2212.72 PA3.C7@2614.37,2230
  Bottom Layer w6: JP10.2@900,1652.54 900,2092.55 936,2128.55 v1(936,2150.54)
LED1_ARD_D7: JP9.1 R6.2 U3.104 | length 824.8
  Top Layer w6: R6.2@655.45,1622.52 689.55,1588.42 v1(785,1588.42) ; v1(791,1286.54) 809.5,1305.04 954.5,1305.04 1005.57,1356.11 1060.98,1356.11 U3.104@1084.58,1332.51
  Bottom Layer w6: v1(791,1286.54) 790.56,1286.98 790.56,1540.62 790.5,1540.68 790.5,1567.32 790.56,1567.38 790.56,1582.86 v1(785,1588.42) 791.13,1594.54 JP9.1@827,1594.54
LED1_ARD_D7_: JP9.2 PA3.C8 | length 2252.7
  Top Layer w6: v1(873,2180.54) 876.46,2184 1405.65,2184 1421.73,2167.92 1586.59,2167.92 1591.71,2173.04 1644.68,2173.04 1665.68,2152.04 1684.32,2152.04 1700.2,2167.92 1754,2167.92 1769.62,2183.54 2315.23,2183.54 2316.05,2182.72 2467.09,2182.72 PA3.C8@2514.37,2230
  Bottom Layer w6: JP9.2@827,1652.54 812,1667.54 812,1856 849,1893 849,2156.54 v1(873,2180.54)
NetD1_2: D1.2 P1.1 | length 146.1
  Top Layer w20: P1.1@89.37,1923 204.37,1923 D1.2@226.38,1900.99
NetD4_A: D4.A R10.2 | length 49
  Top Layer w6: R10.2@1156.56,1990 1205.2,1990 D4.A@1205.47,1989.72
NetDC1_A: DC1.A R3.2 | length 56.4
  Top Layer w6: R3.2@301.6,2022 305.53,2018.07 DC1.A@305.53,1967.2
NetDC2_A: DC2.A R6.1 | length 52.6
  Top Layer w6: R6.1@710.57,1622.52 710.57,1669.55 DC2.A@714.54,1673.52
NetDC3_A: DC3.A R9.1 | length 50
  Top Layer w6: R9.1@893.81,1619.64 DC3.A@893.82,1669.67
NetJ5_3: J5.3 R24.1 | length 202.2
  Top Layer w6: R24.1@3102.72,837.6 3294.89,837.6 J5.3@3302,844.71
NetJ5_4: J5.4 R21.1 | length 215.3
  Top Layer w6: R21.1@3102.44,782.74 3263.96,782.74 J5.4@3302,744.71
NetJ5_5: J5.5 R22.1 | length 234.3
  Top Layer w6: R22.1@3102.44,728.54 3218.17,728.54 J5.5@3302,644.71
NetJ5_6: J5.6 R23.1 | length 269.7
  Top Layer w6: R23.1@3102.44,677.11 3195.71,677.11 3243.5,629.32 3243.5,603.21 J5.6@3302,544.71
NetJP1_2: JP1.2 R20.2 U6.19 | length 145
  Top Layer w6: R20.2@2844.09,935.56 2844.09,967 2844.09,1004.83 U6.19@2845.05,1005.79
  Bottom Layer w6: v1@2844.09,967 2844.09,1040.04 JP1.2@2845.05,1041
  other v1: 2844.09,971
NetP4_1: P4.1 PA2.B1 | length 100
  Bottom Layer w8: PA2.B1@2714.37,330 P4.1@2714.37,430
NetP4_2: P4.2 PA2.B2 | length 100
  Bottom Layer w8: PA2.B2@2814.37,330 P4.2@2814.37,430
NetP4_3: P4.3 PA2.B3 | length 100
  Bottom Layer w8: PA2.B3@2914.37,330 P4.3@2914.37,430
NetP4_4: P4.4 PA2.B4 | length 100
  Bottom Layer w8: PA2.B4@3014.37,330 P4.4@3014.37,430
NetP4_5: P4.5 PA2.B5 | length 100
  Bottom Layer w8: PA2.B5@3114.37,330 P4.5@3114.37,430
NetP4_6: P4.6 PA2.B6 | length 100
  Bottom Layer w8: PA2.B6@3214.37,330 P4.6@3214.37,430
OSC_FPGA: U3.85 U4.3 | length 310.7
  Top Layer w6: 1216.46,1747.03 1275.12,1688.37 1275.12,1687.54 1285.73,1676.94 1286.55,1676.94 1320,1643.49 1320,1628.92 1349.05,1599.87 U3.85@1349.05,1596.98
  Top Layer w8: U4.3@1137.96,1811.57 1202.49,1747.03 1216.46,1747.03
PB0: C5.1 JP5.2 PB0.B R2.2 U3.102 | length 1505.9
  Top Layer w6: C5.1@470.4,1387.29 514.75,1387.29 533.04,1369 PB0.B@533.04,1367.29 ; R2.2@473.07,1012 516.04,1012 536.04,1032 v3(536.04,1089.29) ; v1@533.04,1307 PB0.B@533.04,1367.29 ; U3.102@1112.42,1360.35 1054.27,1418.5 873.78,1418.5 868.32,1413.04 849.68,1413.04 844.22,1418.5 v1(641,1418.5) 639.02,1416.52 589.75,1367.29 PB0.B@533.04,1367.29
  Bottom Layer w6: v3(536.04,1089.29) v1@536.04,1304 ; v1(641,1418.5) 641,1684.72 641.29,1685.01 641.29,1730.65 681.2,1770.56 681.2,1797.74 JP5.2@685,1801.54
  other v1: 534.04,1306
PB1: C2.1 PB1.B R1.2 U3.101 | length 1623.8
  Top Layer w6: C2.1@172.92,1396.29 214.36,1396.29 PB1.B@234.36,1376.29 ; R1.2@173.45,1016.29 214.36,1016.29 234.36,1036.29 234.36,1093.6 v3(232.67,1095.29) ; v3(232.67,1312) 234.36,1313.69 PB1.B@234.36,1367.29 ; PB1.B@234.36,1378.05 PB1.B@234.36,1376.29 ; v1@859,1436.04 1065.08,1436.04 1094.06,1407.06 1094.06,1406.54 U3.101@1126.34,1374.27 ; v1(866,1264.54) 865.5,1264.04 337.6,1264.04 PB1.B@234.36,1367.29 ; PB1.B@234.36,1367.29 PB1.B@234.36,1376.29
  Bottom Layer w6: v3(232.67,1095.29) v3(232.67,1312) ; v1(859,1435.54) 859,1271.54 v1(866,1264.54)
PMOD1_1_: J1.1 U3.5 | length 2050.1
  Top Layer w6: U3.5@1680.33,736.76 1680.33,735.67 1704.25,711.75 1709.32,711.75 1722.5,698.57 1722.5,693.5 1806.97,609.03 1812.04,609.03 1827.15,593.92 1838.53,582.54 2549.41,582.54 2573.86,607 2885.46,607 2891.59,613.14 v1@3213.14,613.14
  Bottom Layer w6: v1(3221,620) 3221,580 3262.87,538.13 3262.87,233.17 J1.1@3278.04,218 3278.04,222.5 J1.1@3283,217.54
PMOD1_2_: J1.2 U3.2 | length 2014.3
  Top Layer w6: U3.2@1638.58,695 1639,695 1666.41,667.59 1666.41,634.16 1740.59,559.99 2548.57,559.99 2580.58,592 2892.53,592 2900.57,600.04 3171.5,600.04 v1(3183,588.54)
  Bottom Layer w6: J1.2@3178.04,218 3177.5,218.54 3177.5,583.04 v1(3183,588.54)